# KiCad board srvant-mk2.kicad_pcb (continued)
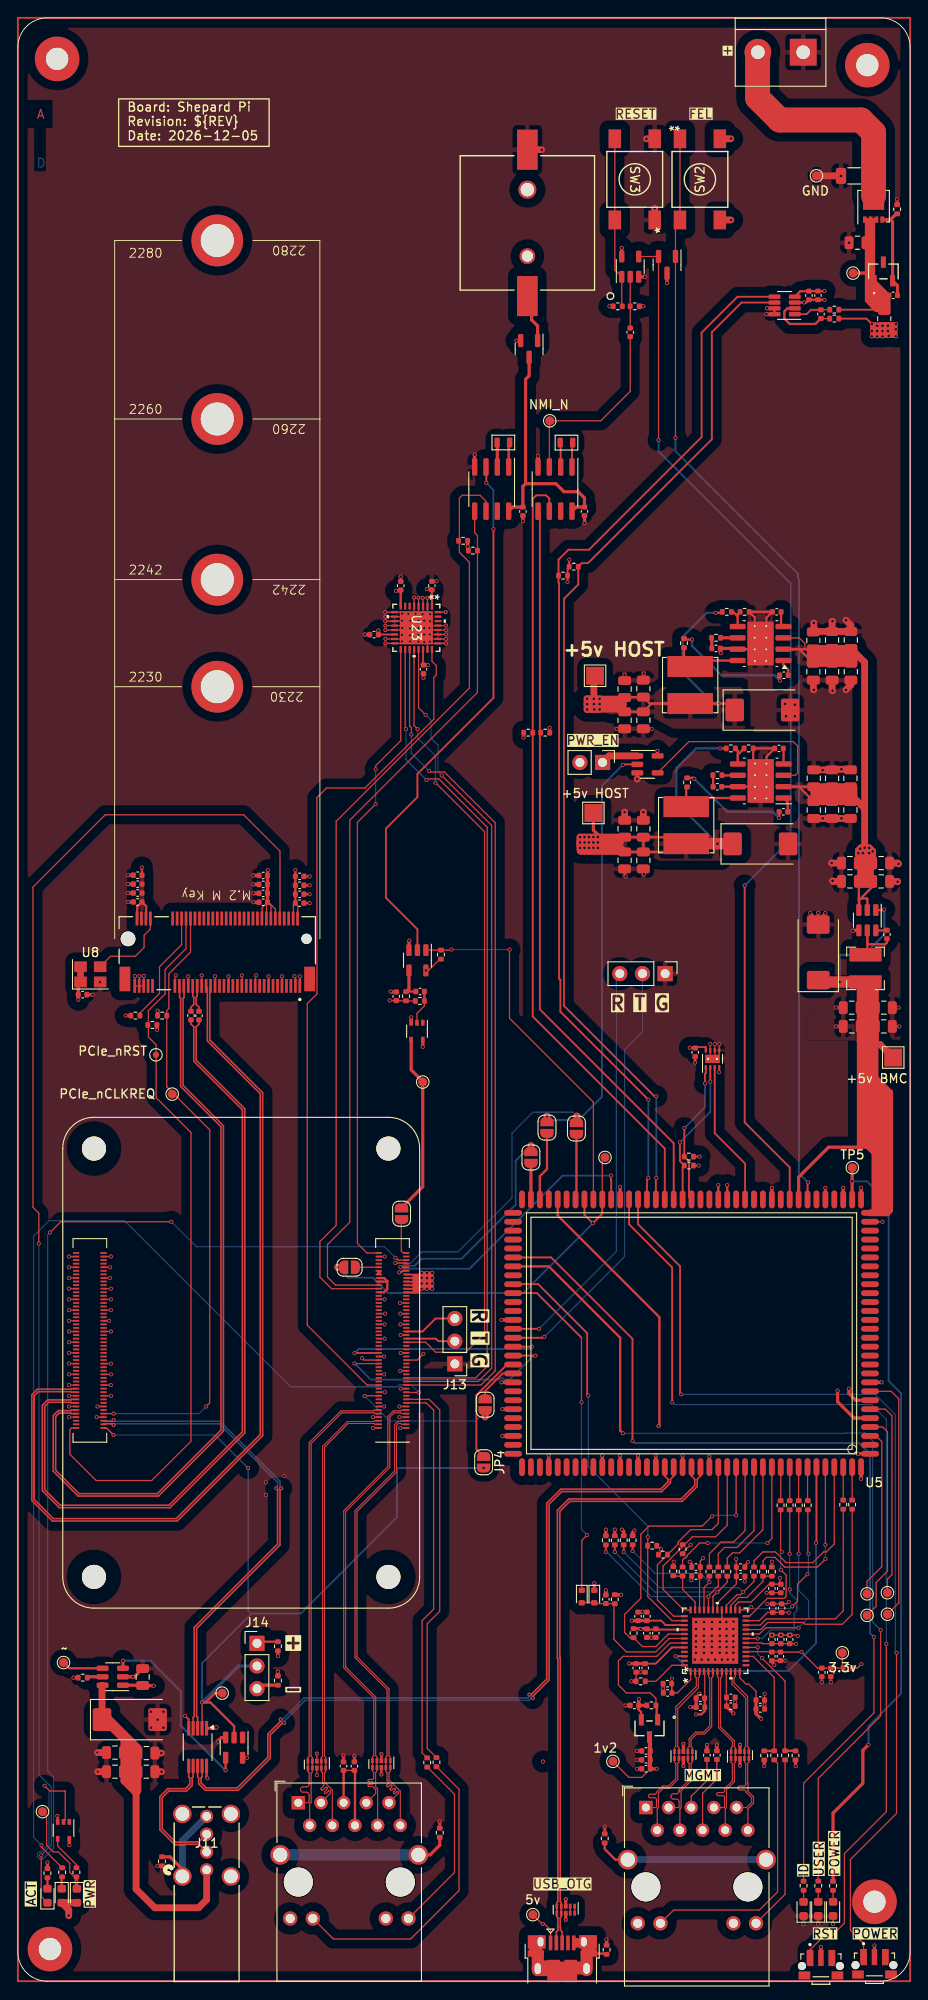
[diagram p0: board, top side]
## Library data of the parts (continued)
D3 D4 D8 D10 D11 = -: Datasheet: http://optoelectronics.liteon.com/upload/download/DS22-2000-210/LTST-S270KRKT.pdf; Field4: Digikey; Field5: LTST-S270KRKT; Field6: SML-A12U8TT86Q; Field7: Rohm; Field8: 650295101; Part Description: Red 620nm LED Indication - Discrete 2.2V 2-SMD, No Lead; ki_fp_filters: LED* LED_SMD:* LED_THT:*
D5 D6 = -: Datasheet: https://www.mouser.co.uk/datasheet/2/115/DIOD_S_A0012716198_1-2512898.pdf; Sim.Device: D; Sim.Pins: 1=K 2=A; farnell#: 1773531; manf#: 1N4148WT-7; mouser#: 621-1N4148WT; ki_fp_filters: D*DO?35*
D7 = -: Datasheet: http://optoelectronics.liteon.com/upload/download/DS22-2000-226/LTST-S270KGKT.pdf; Field4: Digikey; Field5: LTST-S270KGKT; Field6: SML-A12M8TT86N; Field7: Rohm; Field8: 650263301; Part Description: Green 572nm LED Indication - Discrete 2.2V 2-SMD, No Lead; ki_fp_filters: LED* LED_SMD:* LED_THT:*
D9 = -: Datasheet: https://www.mouser.co.uk/datasheet/2/916/PESD2USB5UX_T-2938465.pdf; Part Description: Automotive infotainment ESD protection diode; farnell#: 4253959; manf#: PESD2USB5UXT-QR; mouser#: 771-PESD2USB5UXT-QR; ki_fp_filters: SOT?23*
FB1 FB2 FB5 FB8 = -: Datasheet: https://www.mouser.co.uk/datasheet/2/281/1/Murata_4_42023_QNFA9103SH-3135182.pdf; farnell#: 4236024; manf#: BLM15PX221SH1D; mouser#: 81-BLM15PX221SH1D; ki_fp_filters: Inductor_* L_* *Ferrite*
FB4 = -: Datasheet: https://www.mouser.co.uk/datasheet/2/281/1/Murata_4_42023_QNFA9103SH-3135182.pdf; manf#: BLM15PX221SH1D; mouser#: 81-BLM15PX221SH1D; farnell#: 4236024; ki_fp_filters: Inductor_* L_* *Ferrite*
H4-H7 = -: Field4: nf; Field5: nf; Field6: nf; Field7: nf; Part Description: M2.5 mounting hole; ki_fp_filters: MountingHole*
J2 = -: ki_fp_filters: Connector*:*_1x??_*
J3 J13 J14 = -: Datasheet: ~{}; ki_fp_filters: Connector*:*_1x??_*
J4 = -: Datasheet: https://cdn.amphenol-icc.com/media/wysiwyg/files/documentation/datasheet/inputoutput/io_usb_micro.pd; Field4: Digikey; Field5: 609-4050-2-ND; Field6: 690-005-298-486; Field7: EDAC; Field8: UCON00686; Part Description: USB - micro B USB 2.0 Receptacle Connector 5 Position Surface Mount, Right Angle; Through Hole; ki_fp_filters: USB*
J5 J9 = -: Datasheet: https://media.digikey.com/pdf/Data%20Sheets/Pulse%20PDFs/JK%20Series.pdf; ki_fp_filters: RJ45*Pulse*JK0654219NL*
J8 = -: Datasheet: file:///C:/Users/gamer/AppData/Local/Temp/0900766b8173e6cb.pdf; RS: https://uk.rs-online.com/web/p/edge-connectors/2175447/; ki_fp_filters: *M*2*M*
J11 = -: Datasheet: https://www.farnell.com/datasheets/1009535.pdf; manf#: GSB19110KEU; farnell#: 1860613; Part Description: GSB19110KEU; ki_fp_filters: USB*
J12 = -: ki_fp_filters: TerminalBlock*:*
JP1-JP7 = -: Description: Solder Jumper, 2-pole, open; ki_fp_filters: SolderJumper*Open*
L1 = -: Datasheet: https://www.mouser.co.uk/datasheet/2/54/srn4018-1391320.pdf; Part Description: 4.7µH Semi-Shielded Wirewound Inductor 1.9A 84mOhm Standard; farnell#: 2329227; manf#: SRN4018-4R7M; mouser#: 652-SRN4018-4R7M
L2 = -: Datasheet: https://www.bourns.com/docs/Product-Datasheets/SRN6045TA.pdf; Part Description: 3.3µH Semi-Shielded Wirewound Inductor 7.8A 21mOhm Nonstandard; farnell#: 2616889; manf#: SRN6045TA-3R3Y
L4 = -: Datasheet: https://www.bourns.com/docs/Product-Datasheets/SRN6045TA.pdf; Part Description: 3.3µH Semi-Shielded Wirewound Inductor 7.8A 21mOhm Nonstandard; manf#: SRN6045TA-3R3Y; farnell#: 2616889
Module1 = -: Field4: Hirose; Field5: 2off DF40C-100DS-0.4V; Field6: 2off DF40C-100DS-0.4V; Field7: Hirose; Part Description: 100 Position Connector Receptacle, Center Strip Contacts Surface Mount Gold
MOSFET1 = -: Datasheet: https://eu.mouser.com/datasheet/2/115/DIOD_S_A0002960474_1-2542057.pdf; ki_fp_filters: SOT-23_DMP3098LQ_DIO SOT-23_DMP3098LQ_DIO-M SOT-23_DMP3098LQ_DIO-L
Q1 = -: Datasheet: https://www.diodes.com/assets/Datasheets/DMP3013SFV.pdf; Part Description: DMP3013SFV-7 -  Power MOSFET, P Channel, 30 V, 12 A, 0.008 ohm, PowerDI3333, Surface Mount; farnell#: 3405192; mouser#: 621-DMP3013SFV-7; ki_fp_filters: Diodes*PowerDI3333*
R1 = -: Datasheet: https://fscdn.rohm.com/en/products/databook/datasheet/passive/resistor/chip_resistor/mcr-e.pdf; Part Description: Resistor 12K M1005 1% 63mW; farnell#: 9239367; manf#: MCR01MZPF1202; ki_fp_filters: R_*
R2 = -: Datasheet: https://4donline.ihs.com/images/VipMasterIC/IC/BOUR/BOUR-S-A0012900331/BOUR-S-A0012900331-1.pdf?hkey=6D3A4C79FDBF58556ACFDE234799DDF0; Part Description: Rshunt; farnell#: 2729138; manf#: CRF0805-FZ-R005ELF; ki_fp_filters: R_*
R4 = -: Datasheet: https://fscdn.rohm.com/en/products/databook/datasheet/passive/resistor/chip_resistor/mcr-e.pdf; Part Description: Resistor 20K M1005 1% 63mW; farnell#: 2331485; manf#: RK73H1ETTP2002F; ki_fp_filters: R_*
R5 R6 R9-R12 R15 R17-R25 R30 R34 R36-R42 R44 R46 R51 R56 R61 R64 R68 R69 R71 R72 R74-R76 R79 = -: ki_fp_filters: R_*
R7 R8 = -: Datasheet: https://fscdn.rohm.com/en/products/databook/datasheet/passive/resistor/chip_resistor/mcr-e.pdf; Part Description: Resistor 10R M1005 1% 63mW; farnell#: 9238999; manf#: RC0402FR-0710RL; ki_fp_filters: R_*
R13 R14 R60 R65 = -: Datasheet: https://fscdn.rohm.com/en/products/databook/datasheet/passive/resistor/chip_resistor/mcr-e.pdf; Field4: Farnell; Field5: 9239235; Field6: RK73H1ETTP1001F; Field7: KOA EUROPE GMBH; Field8: 125049511; Part Description: Resistor 1K M1005 1% 63mW; ki_fp_filters: R_*
R16 = -: Datasheet: https://fscdn.rohm.com/en/products/databook/datasheet/passive/resistor/chip_resistor/mcr-e.pdf; Part Description: Resistor 20K M1005 1% 63mW; manf#: RK73H1ETTP2002F; farnell#: 2331485; ki_fp_filters: R_*
R28 R33 R47 R48 R50 = -: Datasheet: https://fscdn.rohm.com/en/products/databook/datasheet/passive/resistor/chip_resistor/mcr-e.pdf; Part Description: Resistor 1K M1005 1% 63mW; ki_fp_filters: R_*
R29 = -: farnell#: 3495661; manf#: RC0402FR-076K04L; ki_fp_filters: R_*
R53 = -: Datasheet: https://fscdn.rohm.com/en/products/databook/datasheet/passive/resistor/chip_resistor/mcr-e.pdf; Field4: Farnell; Field5: 9239375; Field6: MCR01MZPF1502; Field7: Rohm; Field8: 120891581; Part Description: Resistor 15K M1005 1% 63mW; ki_fp_filters: R_*
R54 = -: Datasheet: https://fscdn.rohm.com/en/products/databook/datasheet/passive/resistor/chip_resistor/mcr-e.pdf; Field4: Farnell; Field5: 9239278; Field7: KOA EUROPE GMBH; Field6: RK73G1ETQTP2201D; Part Description: Resistor 2.2K M1005 1% 63mW; Field8: 120889581; ki_fp_filters: R_*
R57 R59 = -: Datasheet: https://fscdn.rohm.com/en/products/databook/datasheet/passive/resistor/chip_resistor/mcr-e.pdf; Field4: Farnell; Field5: 1458807; Field6: MCR01MZPF5103; Field7: Rohm; Part Description: Resistor 510K M1005 1% 63mW; ki_fp_filters: R_*
R62 R63 R73 R77 R78 R80 = -: Datasheet: https://fscdn.rohm.com/en/products/databook/datasheet/passive/resistor/chip_resistor/mcr-e.pdf; ki_fp_filters: R_*
R66 R67 = -: Datasheet: https://fscdn.rohm.com/en/products/databook/datasheet/passive/resistor/chip_resistor/mcr-e.pdf; Field4: Farnell; Field5: 9239197; Field6: RK73G1ETQTP4700D; Field7: KOA EUROPE GMBH; Field8: 120887981; Part Description: Resistor 470R M1005 1% 63mW; ki_fp_filters: R_*
R70 = -: Datasheet: https://fscdn.rohm.com/en/products/databook/datasheet/passive/resistor/chip_resistor/mcr-e.pdf; Field4: Farnell; Field5: 9239235; Field7: KOA EUROPE GMBH; Field6: RK73H1ETTP1001F; Part Description: Resistor 1K M1005 1% 63mW; Field8: 125049511; ki_fp_filters: R_*
SW1 SW4 = -: Datasheet: https://www.farnell.com/datasheets/219499.pdf; farnell#: 2787247; manf#: TL3340AF160QG
SW2 SW3 = -: ki_fp_filters: SW4_FSM-5P23_TEC
TP1 TP4 TP5 TP7-TP10 TP13 TP17 TP18 = -: ki_fp_filters: Pin* Test*
TP2 TP3 TP11 TP14-TP16 TP19-TP23 = -: Field4: nf; Field5: nf; Field6: nf; Field7: nf; ki_fp_filters: Pin* Test*
U1 = -: Datasheet: https://www.diodes.com/assets/Datasheets/AP63200-AP63201-AP63203-AP63205.pdf; manf#: AP63205WU-7; mouser#: 621-AP63205WU-7; ki_fp_filters: TSOT?23*
U2 U26 = -: Datasheet: https://www.diodes.com/assets/Datasheets/AP64501.pdf; Part Description: Buck Switching Regulator IC Positive Adjustable 0.8V 1 Output 5A 8-SOIC (0.154", 3.90mm Width) Exposed Pad; digikey#: 31-AP64501SP-13CT-ND
U3 = -: Datasheet: http://www.ti.com/lit/sg/scyt129e/scyt129e.pdf; farnell#: 3120315; manf#: SN74AHC1G32DBVR; mouser#: 595-SN74AHC1G32DBVR; ki_fp_filters: SOT* SG-*
U4 = -: Datasheet: http://www.ti.com/lit/ds/symlink/ina219.pdf; farnell#: 3118164; manf#: INA219AIDCNR; mouser#: 595-INA219AIDCNR; ki_fp_filters: SOT?23*
U5 = -: Datasheet: https://linux-sunxi.org/images/7/73/T113-s3_datasheet_v1.6.pdf
U6 U17 = -: Datasheet: https://www.nxp.com/docs/en/data-sheet/PCF85063A.pdf; Field4: Farnell; Field5: 2890042; Field7: NXP; Part Description: Real Time Clock (RTC) IC Clock/Calendar I²C, 2-Wire Serial 8-SOIC (0.154", 3.90mm Width); ki_fp_filters: SOIC*3.9x4.9mm*P1.27mm*
U7 U10 U11 U19 U20 = -: Datasheet: http://www.ti.com/lit/ds/symlink/tpd2eusb30a.pdf; Field4: Farnell; Field5: 2335455; Field6: CDDFN10-3324P-13; Field7: Bourns; Field8: UDIO00346; Part Description: Quad TVS diode for high speed signals (USB3, GigE etc.); ki_fp_filters: USON*2.5x1.0mm*P0.5mm*
U8 = -: Datasheet: https://abracon.com/Oscillators/ASEK.pdf; Field7: abracon; Part Description: 32KHz Xtal oscilator
U12 = -: Datasheet: http://ww1.microchip.com/downloads/en/DeviceDoc/00002841B.pdf; digikey#: KSZ9131RNXC-TR; farnell#: 3280868; manf#: KSZ9131RNXC-TR; mouser#: 579-KSZ9131RNXC-TR; ki_fp_filters: QFN48_NX_MCH QFN48_NX_MCH-M QFN48_NX_MCH-L
U13 = -: Datasheet: https://www.ti.com/general/docs/suppproductinfo.tsp?distId=26&gotoUrl=https://www.ti.com/lit/gpn/sn74ahc1g04; farnell#: 1893806; manf#: SN74AHC1G04DBVRG4; mouser#: 595-SN74AHC1G04DBVRG; ki_fp_filters: SOT* SG-*
U14 = -: Datasheet: https://www.diodes.com/assets/Datasheets/AP255x.pdf; Field4: Digikey; Field5: 31-AP22653W6-7CT-ND; Field7: Diodes; Part Description: Power Switch/Driver 1:1 P-Channel 2.1A SOT-23-6; farnell#: 3755402; manf#: AP22653W6-7
U15 = -: Datasheet: https://www.onsemi.com/pub/Collateral/FSUSB42-D.PDF; Description: Low-Power, Two-Port, High-Speed, USB2.0 (480Mbps) or UART Switch, MSOP-10; ki_fp_filters: MSOP*3x3mm*P0.5mm*
U18 U21 = -: Datasheet: https://www.diodes.com/assets/Datasheets/74LVC1G07.pdf; Field4: Farnell; Field5: 2425492; Field7: Diodes; Part Description: Buffer, Non-Inverting 1 Element 1 Bit per Element Open Drain Output SOT-353; ki_fp_filters: SOT* SG-*
U22 = -: Datasheet: https://www.ti.com/lit/gpn/tmp1075; manf#: TMP1075DSGR; mouser#: 595-TMP1075DSGR; ki_fp_filters: WSON*1EP*2x2mm*P0.5mm*
U23 = -: Datasheet: https://www.mouser.co.uk/datasheet/2/196/Infineon_SLB_9670VQ2_0_DataSheet_v01_04_EN-3167088.pdf; mouser#: 726-SLB9670V20FW785X; farnell#: 3404700; ki_fp_filters: QFN32_SLB9670VQ20FW785XTMA1_INF QFN32_SLB9670VQ20FW785XTMA1_INF-M QFN32_SLB9670VQ20FW785XTMA1_INF-L
U24 U25 = -: Datasheet: https://www.ti.com/lit/ds/symlink/sn74ahc1g08.pdf; farnell#: 3120306; manf#: SN74AHC1G08DBVR; mouser#: 595-SN74AHC1G08DBVR; ki_fp_filters: SOT* SG-*
Y1 Y3 = -: Datasheet: https://abracon.com/Resonators/ABS06W.pdf; Part Description: Crystal 32.768KHz 7pF 20pmm; digikey#: 535-14101-2-ND; manf#: ABS06W-32.768KHZ-K-2-T; ki_fp_filters: Crystal*

## Footprints (pads in the part's own frame, mm; a bottom-side part is the same pattern mirrored in y, then rotated)
battery-S8411-45R
  rect 2.311x4.496 smd: 1(0,8.2) 2(0,-8.2)
  round 1.753 hole 1.245: 3(0,3.725)
  round 2.007 hole 1.499: 4(0,-3.725)
button-SW_TL3340AF160QG
  round 0.9 hole 0.9 unplated: (-2.125,0) (2.125,0)
  custom 0.76x1.81 smd: 1(-1.225,0.9) 3(1.225,0.9)
  rect 0.6x1.8 smd: 2(0,0.9)
  rect 1.3x0.9 smd: S1(-1.85,-1.05) S2(1.85,-1.05)
C_0402_1005Metric
  rrect 0.56x0.62 smd: 1(-0.48,0) 2(0.48,0)
C_0805_2012Metric
  rrect 1x1.45 smd: 1(-0.95,0) 2(0.95,0)
C_1206_3216Metric
  rrect 1.15x1.8 smd: 1(-1.475,0) 2(1.475,0)
CONN_GSB19110KEU_AMP
  round 1.473 hole 0.965: 1(0,0) 2(0,2) 3(0,4) 4(0,6)
  round 2.057 hole 1.549: 5(-2.72,-0.73) 6(2.72,-0.73) 7(-2.72,6.27) 8(2.72,6.27)
CP_EIA-7343-31_Kemet-D
  rrect 2.075x2.55 smd: 1(-3.112,0) 2(3.112,0)
Crystal_SMD_2012-2Pin_2.0x1.2mm
  rrect 0.6x1.1 smd: 1(-0.7,0) 2(0.7,0)
Crystal_SMD_3225-4Pin_3.2x2.5mm
  rect 1.4x1.2 smd: 1(-1.1,-0.85) 2(1.1,-0.85) 3(1.1,0.85) 4(-1.1,0.85)
D_SOD-523
  rrect 0.6x0.7 smd: 1(-0.7,0) 2(0.7,0)
Diodes_PowerDI3333-8
  rect 0.6x1 smd: (0.02,0.565) (0.02,-0.565) (0.73,0.565) (0.73,-0.565)
  rect 0.7x0.42 smd: (1.5,0.975) (1.5,0.325) (1.5,-0.325) (1.5,-0.975) 1(-1.5,0.975) 2(-1.5,0.325) 3(-1.5,-0.325) 4(-1.5,-0.975)
  custom 2.25x2.37 smd: 5(0.455,0)
L_Bourns-SRN4018
  rect 1.5x3.6 smd: 1(-1.525,0) 2(1.525,0)
L_Bourns_SRN6045TA
  rect 2.35x5.1 smd: 1(-2.075,0) 2(2.075,0)
LED_0603_1608Metric
  rrect 0.875x0.95 smd: 1(-0.787,0) 2(0.787,0)
M.2 M Key socket_rpi
  round 1.15 hole 1.15 unplated: (-10,0)
  round 1.65 hole 1.65 unplated: (10,0)
  rect 0.3x1.55 smd: 1(-9.25,5.275) 2(-9,-2.275) 3(-8.75,5.275) 4(-8.5,-2.275) 5(-8.25,5.275) 6(-8,-2.275) 7(-7.75,5.275) 8(-7.5,-2.275) 9(-7.25,5.275) 10(-7,-2.275) 11(-6.75,5.275) 12(-6.5,-2.275) 13(-6.25,5.275) 14(-6,-2.275) 15(-5.75,5.275) 16(-5.5,-2.275) 17(-5.25,5.275) 18(-5,-2.275) 19(-4.75,5.275) 20(-4.5,-2.275) 21(-4.25,5.275) 22(-4,-2.275) 23(-3.75,5.275) 24(-3.5,-2.275) 25(-3.25,5.275) 26(-3,-2.275) 27(-2.75,5.275) 28(-2.5,-2.275) 29(-2.25,5.275) 30(-2,-2.275) 31(-1.75,5.275) 32(-1.5,-2.275) 33(-1.25,5.275) 34(-1,-2.275) 35(-0.75,5.275) 36(-0.5,-2.275) 37(-0.25,5.275) 38(0,-2.275) 39(0.25,5.275) 40(0.5,-2.275) 41(0.75,5.275) 42(1,-2.275) 43(1.25,5.275) 44(1.5,-2.275) 45(1.75,5.275) 46(2,-2.275) 47(2.25,5.275) 48(2.5,-2.275) 49(2.75,5.275) 50(3,-2.275) 51(3.25,5.275) 52(3.5,-2.275) 53(3.75,5.275) 54(4,-2.275) 55(4.25,5.275) 56(4.5,-2.275) 57(4.75,5.275) 58(5,-2.275) 67(7.25,5.275) 68(7.5,-2.275) 69(7.75,5.275) 70(8,-2.275) 71(8.25,5.275) 72(8.5,-2.275) 73(8.75,5.275) 74(9,-2.275) 75(9.25,5.275)
  round 5.8 hole 3.7: M1(0,-28.25) M2(0,-40.25) M3(0,-58.25) M4(0,-78.25)
  rect 1.2x2.75 smd: S1(-10.35,4.5) S2(10.35,4.5)
MountingHole_2.5mm_Pad_TopOnly
  round 2.9 hole 2.5: 1(0,0)
  round 5 smd: 1(0,0)
MSOP-10_3x3mm_P0.5mm
  rrect 1.625x0.35 smd: 1(-2.112,1) 2(-2.112,0.5) 3(-2.112,0) 4(-2.112,-0.5) 5(-2.112,-1) 6(2.112,-1) 7(2.112,-0.5) 8(2.112,0) 9(2.112,0.5) 10(2.112,1)
PinHeader_1x02_P2.54mm_Vertical
  rect 1.7x1.7 hole 1: 1(0,0)
  oval 1.7x1.7 hole 1: 2(0,-2.54)
PinHeader_1x03_P2.54mm_Vertical
  rect 1.7x1.7 hole 1: 1(0,0)
  oval 1.7x1.7 hole 1: 2(0,-2.54) 3(0,-5.08)
QFN32_SLB9670VQ20FW785XTMA1_INF
  rect 0.762x0.254 smd: 1(-2.426,1.75) 2(-2.426,1.25) 3(-2.426,0.75) 4(-2.426,0.25) 5(-2.426,-0.25) 6(-2.426,-0.75) 7(-2.426,-1.25) 8(-2.426,-1.75) 17(2.426,-1.75) 18(2.426,-1.25) 19(2.426,-0.75) 20(2.426,-0.25) 21(2.426,0.25) 22(2.426,0.75) 23(2.426,1.25) 24(2.426,1.75)
  rect 0.254x0.762 smd: 9(-1.75,-2.426) 10(-1.25,-2.426) 11(-0.75,-2.426) 12(-0.25,-2.426) 13(0.25,-2.426) 14(0.75,-2.426) 15(1.25,-2.426) 16(1.75,-2.426) 25(1.75,2.426) 26(1.25,2.426) 27(0.75,2.426) 28(0.25,2.426) 29(-0.25,2.426) 30(-0.75,2.426) 31(-1.25,2.426) 32(-1.75,2.426)
  rect 3.708x3.708 smd: 33(0,0)
QFN48_NX_MCH
  rect 0.757x0.255 smd: 1(-3.452,2.75) 2(-3.452,2.25) 3(-3.452,1.75) 4(-3.452,1.25) 5(-3.452,0.75) 6(-3.452,0.25) 7(-3.452,-0.25) 8(-3.452,-0.75) 9(-3.452,-1.25) 10(-3.452,-1.75) 11(-3.452,-2.25) 12(-3.452,-2.75) 25(3.452,-2.75) 26(3.452,-2.25) 27(3.452,-1.75) 28(3.452,-1.25) 29(3.452,-0.75) 30(3.452,-0.25) 31(3.452,0.25) 32(3.452,0.75) 33(3.452,1.25) 34(3.452,1.75) 35(3.452,2.25) 36(3.452,2.75)
  rect 0.255x0.757 smd: 13(-2.75,-3.452) 14(-2.25,-3.452) 15(-1.75,-3.452) 16(-1.25,-3.452) 17(-0.75,-3.452) 18(-0.25,-3.452) 19(0.25,-3.452) 20(0.75,-3.452) 21(1.25,-3.452) 22(1.75,-3.452) 23(2.25,-3.452) 24(2.75,-3.452) 37(2.75,3.452) 38(2.25,3.452) 39(1.75,3.452) 40(1.25,3.452) 41(0.75,3.452) 42(0.25,3.452) 43(-0.25,3.452) 44(-0.75,3.452) 45(-1.25,3.452) 46(-1.75,3.452) 47(-2.25,3.452) 48(-2.75,3.452)
  rect 5.156x5.156 smd: 49(0,0)
R_0402_1005Metric
  rrect 0.54x0.64 smd: 1(-0.51,0) 2(0.51,0)
R_0805_2012Metric
  rrect 1.025x1.4 smd: 1(-0.912,0) 2(0.912,0)
Raspberry-Pi-4-Compute-Module
  round 2.7 hole 2.7 unplated: (0,48) (0,0) (33,48) (33,0)
  rect 0.7x0.2 smd: 1(-2,31.3) 2(1.08,31.3) 3(-2,30.9) 4(1.08,30.9) 5(-2,30.5) 6(1.08,30.5) 7(-2,30.1) 8(1.08,30.1) 9(-2,29.7) 10(1.08,29.7) 11(-2,29.3) 12(1.08,29.3) 13(-2,28.9) 14(1.08,28.9) 15(-2,28.5) 16(1.08,28.5) 17(-2,28.1) 18(1.08,28.1) 19(-2,27.7) 20(1.08,27.7) 21(-2,27.3) 22(1.08,27.3) 23(-2,26.9) 24(1.08,26.9) 25(-2,26.5) 26(1.08,26.5) 27(-2,26.1) 28(1.08,26.1) 29(-2,25.7) 30(1.08,25.7) 31(-2,25.3) 32(1.08,25.3) 33(-2,24.9) 34(1.08,24.9) 35(-2,24.5) 36(1.08,24.5) 37(-2,24.1) 38(1.08,24.1) 39(-2,23.7) 40(1.08,23.7) 41(-2,23.3) 42(1.08,23.3) 43(-2,22.9) 44(1.08,22.9) 45(-2,22.5) 46(1.08,22.5) 47(-2,22.1) 48(1.08,22.1) 49(-2,21.7) 50(1.08,21.7) 51(-2,21.3) 52(1.08,21.3) 53(-2,20.9) 54(1.08,20.9) 55(-2,20.5) 56(1.08,20.5) 57(-2,20.1) 58(1.08,20.1) 59(-2,19.7) 60(1.08,19.7) 61(-2,19.3) 62(1.08,19.3) 63(-2,18.9) 64(1.08,18.9) 65(-2,18.5) 66(1.08,18.5) 67(-2,18.1) 68(1.08,18.1) 69(-2,17.7) 70(1.08,17.7) 71(-2,17.3) 72(1.08,17.3) 73(-2,16.9) 74(1.08,16.9) 75(-2,16.5) 76(1.08,16.5) 77(-2,16.1) 78(1.08,16.1) 79(-2,15.7) 80(1.08,15.7) 81(-2,15.3) 82(1.08,15.3) 83(-2,14.9) 84(1.08,14.9) 85(-2,14.5) 86(1.08,14.5) 87(-2,14.1) 88(1.08,14.1) 89(-2,13.7) 90(1.08,13.7) 91(-2,13.3) 92(1.08,13.3) 93(-2,12.9) 94(1.08,12.9) 95(-2,12.5) 96(1.08,12.5) 97(-2,12.1) 98(1.08,12.1) 99(-2,11.7) 100(1.08,11.7) 101(31.92,31.3) 102(35,31.3) 103(31.92,30.9) 104(35,30.9) 105(31.92,30.5) 106(35,30.5) 107(31.92,30.1) 108(35,30.1) 109(31.92,29.7) 110(35,29.7) 111(31.92,29.3) 112(35,29.3) 113(31.92,28.9) 114(35,28.9) 115(31.92,28.5) 116(35,28.5) 117(31.92,28.1) 118(35,28.1) 119(31.92,27.7) 120(35,27.7) 121(31.92,27.3) 122(35,27.3) 123(31.92,26.9) 124(35,26.9) 125(31.92,26.5) 126(35,26.5) 127(31.92,26.1) 128(35,26.1) 129(31.92,25.7) 130(35,25.7) 131(31.92,25.3) 132(35,25.3) 133(31.92,24.9) 134(35,24.9) 135(31.92,24.5) 136(35,24.5) 137(31.92,24.1) 138(35,24.1) 139(31.92,23.7) 140(35,23.7) 141(31.92,23.3) 142(35,23.3) 143(31.92,22.9) 144(35,22.9) 145(31.92,22.5) 146(35,22.5) 147(31.92,22.1) 148(35,22.1) 149(31.92,21.7) 150(35,21.7) 151(31.92,21.3) 152(35,21.3) 153(31.92,20.9) 154(35,20.9) 155(31.92,20.5) 156(35,20.5) 157(31.92,20.1) 158(35,20.1) 159(31.92,19.7) 160(35,19.7) 161(31.92,19.3) 162(35,19.3) 163(31.92,18.9) 164(35,18.9) 165(31.92,18.5) 166(35,18.5) 167(31.92,18.1) 168(35,18.1) 169(31.92,17.7) 170(35,17.7) 171(31.92,17.3) 172(35,17.3) 173(31.92,16.9) 174(35,16.9) 175(31.92,16.5) 176(35,16.5) 177(31.92,16.1) 178(35,16.1) 179(31.92,15.7) 180(35,15.7) 181(31.92,15.3) 182(35,15.3) 183(31.92,14.9) 184(35,14.9) 185(31.92,14.5) 186(35,14.5) 187(31.92,14.1) 188(35,14.1) 189(31.92,13.7) 190(35,13.7) 191(31.92,13.3) 192(35,13.3) 193(31.92,12.9) 194(35,12.9) 195(31.92,12.5) 196(35,12.5) 197(31.92,12.1) 198(35,12.1) 199(31.92,11.7) 200(35,11.7)
RJ45_Wuerth_7499111446_Horizontal
  round 3.25 hole 3.25 unplated: (0,-8.89) (11.43,-8.89)
  rect 1.5x1.5 hole 0.9: 1(0,0)
  round 1.5 hole 0.9: 2(1.27,-2.54) 3(2.54,0) 4(3.81,-2.54) 5(5.08,0) 6(6.35,-2.54) 7(7.62,0) 8(8.89,-2.54) 9(10.16,0) 10(11.43,-2.54)
  round 1.6 hole 1.02: 11(-0.915,-12.97) 12(1.625,-12.97) 13(9.805,-12.97) 14(12.345,-12.97)
  round 2.2 hole 1.6: SH(-2.03,-5.84) SH(13.46,-5.84)
rp-t113-s3
  oval 2x0.65 smd: 1(-1,-1.5) 2(-1,-2.5) 3(-1,-3.5) 4(-1,-4.5) 5(-1,-5.5) 6(-1,-6.5) 7(-1,-7.5) 8(-1,-8.5) 9(-1,-9.5) 10(-1,-10.5) 11(-1,-11.5) 12(-1,-12.5) 13(-1,-13.5) 14(-1,-14.5) 15(-1,-15.5) 16(-1,-16.5) 17(-1,-17.5) 18(-1,-18.5) 19(-1,-19.5) 20(-1,-20.5) 21(-1,-21.5) 22(-1,-22.5) 23(-1,-23.5) 24(-1,-24.5) 25(-1,-25.5) 26(-1,-26.5) 27(-1,-27.5) 28(-1,-28.5) 68(39,-28.5) 69(39,-27.5) 70(39,-26.5) 71(39,-25.5) 72(39,-24.5) 73(39,-23.5) 74(39,-22.5) 75(39,-21.5) 76(39,-20.5) 77(39,-19.5) 78(39,-18.5) 79(39,-17.5) 80(39,-16.5) 81(39,-15.5) 82(39,-14.5) 83(39,-13.5) 84(39,-12.5) 85(39,-11.5) 86(39,-10.5) 87(39,-9.5) 88(39,-8.5) 89(39,-7.5) 90(39,-6.5) 91(39,-5.5) 92(39,-4.5) 93(39,-3.5) 94(39,-2.5) 95(39,-1.5)
  oval 0.65x2 smd: 29(0,-30) 30(1,-30) 31(2,-30) 32(3,-30) 33(4,-30) 34(5,-30) 35(6,-30) 36(7,-30) 37(8,-30) 38(9,-30) 39(10,-30) 40(11,-30) 41(12,-30) 42(13,-30) 43(14,-30) 44(15,-30) 45(16,-30) 46(17,-30) 47(18,-30) 48(19,-30) 49(20,-30) 50(21,-30) 51(22,-30) 52(23,-30) 53(24,-30) 54(25,-30) 55(26,-30) 56(27,-30) 57(28,-30) 58(29,-30) 59(30,-30) 60(31,-30) 61(32,-30) 62(33,-30) 63(34,-30) 64(35,-30) 65(36,-30) 66(37,-30) 67(38,-30) 96(38,0) 97(37,0) 98(36,0) 99(35,0) 100(34,0) 101(33,0) 102(32,0) 103(31,0) 104(30,0) 105(29,0) 106(28,0) 107(27,0) 108(26,0) 109(25,0) 110(24,0) 111(23,0) 112(22,0) 113(21,0) 114(20,0) 115(19,0) 116(18,0) 117(17,0) 118(16,0) 119(15,0) 120(14,0) 121(13,0) 122(12,0) 123(11,0) 124(10,0) 125(9,0) 126(8,0) 127(7,0) 128(6,0) 129(5,0) 130(4,0) 131(3,0) 132(2,0) 133(1,0) 134(0,0)
SOIC-8-1EP_3.9x4.9mm_P1.27mm_EP2.95x4.9mm_Mask2.71x3.4mm_ThermalVias
  rrect 1.13x1.42 smd: (-0.68,0.85) (-0.68,-0.85) (0.68,0.85) (0.68,-0.85)
  rect 2.71x3.4 smd: (0,0)
  rrect 1.775x0.6 smd: 1(-2.562,1.905) 2(-2.562,0.635) 3(-2.562,-0.635) 4(-2.562,-1.905) 5(2.562,-1.905) 6(2.562,-0.635) 7(2.562,0.635) 8(2.562,1.905)
  round 0.5 hole 0.2: 9(-0.65,1.95) 9(-0.65,0.65) 9(-0.65,-0.65) 9(-0.65,-1.95) 9(0.65,1.95) 9(0.65,0.65) 9(0.65,-0.65) 9(0.65,-1.95)
  rect 1.8x4.4 smd far side: 9(0,0)
  rect 2.95x4.9 smd: 9(0,0)
SOIC-8_3.9x4.9mm_P1.27mm
  rrect 1.95x0.6 smd: 1(-2.475,1.905) 2(-2.475,0.635) 3(-2.475,-0.635) 4(-2.475,-1.905) 5(2.475,-1.905) 6(2.475,-0.635) 7(2.475,0.635) 8(2.475,1.905)
SolderJumper-2_P1.3mm_Open_RoundedPad1.0x1.5mm
  custom 1x1.5 smd: 1(-0.65,0) 2(0.65,0)
SOT-23
  rrect 1.475x0.6 smd: 1(-0.938,0.95) 2(-0.938,-0.95) 3(0.938,0)
SOT-23-3_1P4X3P040_ONS
  rect 0.559x1.27 smd: 1(-1.029,-1.041) 2(1.029,-1.041) 3(0,1.041)
SOT-23-5
  rrect 1.325x0.6 smd: 1(-1.137,0.95) 2(-1.137,0) 3(-1.137,-0.95) 4(1.137,-0.95) 5(1.137,0.95)
SOT-23-6
  rrect 1.325x0.6 smd: 1(-1.137,0.95) 2(-1.137,0) 3(-1.137,-0.95) 4(1.137,-0.95) 5(1.137,0) 6(1.137,0.95)
SOT-23-8
  rrect 1.325x0.5 smd: 1(-1.137,0.975) 2(-1.137,0.325) 3(-1.137,-0.325) 4(-1.137,-0.975) 5(1.137,-0.975) 6(1.137,-0.325) 7(1.137,0.325) 8(1.137,0.975)
SOT-23_DMP3098LQ_DIO
  rect 0.559x1.27 smd: 1(-0.915,-0.965) 2(0.915,-0.965) 3(0,0.965)
SOT-353_SC-70-5
  rect 0.65x0.4 smd: 1(-0.95,0.65) 2(-0.95,0) 3(-0.95,-0.65) 4(0.95,-0.65) 5(0.95,0.65)
SW4_FSM-5P23_TEC
  rect 2.108x1.397 smd: 1(-4.547,2.235) 2(4.547,2.235) 3(-4.547,-2.235) 4(4.547,-2.235)
TerminalBlock_bornier-2_P5.08mm
  rect 3x3 hole 1.52: 1(0,0)
  round 3 hole 1.52: 2(5.08,0)
TestPoint_Pad_2.0x2.0mm
  rect 2x2 smd: 1(0,0)
TestPoint_Pad_D1.0mm
  round 1 smd: 1(0,0)
TestPoint_Pad_D1.0mm#2
  round 0.7 smd: 1(0,0)
TSOT-23-6
  rrect 1.325x0.6 smd: 1(-1.137,0.95) 2(-1.137,0) 3(-1.137,-0.95) 4(1.137,-0.95) 5(1.137,0) 6(1.137,0.95)
USB_Micro-B_Amphenol_10103594-0001LF_Horizontal
  rect 0.4x1.65 smd: 1(-1.325,1.765) 2(-0.675,1.765) 3(-0.025,1.765) 4(0.625,1.765) 5(1.275,1.765)
  rect 1.825x0.7 smd: 6(-2.975,0.565) 6(2.975,0.565)
  rect 2x1.5 smd: 6(-2.875,1.865) 6(2.875,1.885)
  rect 1.35x2 smd: 6(-2.755,-0.185) 6(2.725,-0.185)
  oval 1.35x1.7 hole 0.7x1.2: 6(-2.755,-1.115) 6(2.705,-1.115)
  oval 1.1x1.5 hole 0.65x1.05: 6(-2.445,1.885) 6(2.395,1.885)
  rect 1.43x2.5 smd: 6(-0.985,-1.385) 6(0.935,-1.385)
USON-10_2.5x1.0mm_P0.5mm
  rect 0.55x0.3 smd: 1(-0.385,1) 2(-0.385,0.5) 4(-0.385,-0.5) 5(-0.385,-1) 6(0.385,-1) 7(0.385,-0.5) 9(0.385,0.5) 10(0.385,1)
  rect 0.55x0.4 smd: 3(-0.385,0) 8(0.385,0)
WSON-8-1EP_2x2mm_P0.5mm_EP0.9x1.6mm_ThermalVias
  rect 0.75x0.65 smd: (0,0.4) (0,-0.4)
  rect 0.5x0.25 smd: 1(-0.95,0.75) 2(-0.95,0.25) 3(-0.95,-0.25) 4(-0.95,-0.75) 5(0.95,-0.75) 6(0.95,-0.25) 7(0.95,0.25) 8(0.95,0.75)
  round 0.6 hole 0.25: 9(0,0.5) 9(0,-0.5)
  rect 0.9x1.6 smd: 9(0,0) 9(0,0)

## Nets
/BMC ethernet/1V2: C33.1 C34.1 C35.1 C36.1 C38.1 C39.1 C41.1 C43.1 C45.1 C46.1 C47.1 C48.1 C49.1 C50.1 C51.1 C52.1 C123.1 C124.1 C125.1 C126.1 MOSFET1.3 TP4.1 U12.4 U12.9 U12.18 U12.23 U12.26 U12.30 U12.39 U12.44
/BMC ethernet/3.3v_PHY: C54.1 C55.1 C56.1 C57.1 C59.1 C60.1 C61.1 C62.1 C63.1 C64.1 C65.1 C66.1 C122.1 D5.1 FB2.1 J5.11 J5.13 MOSFET1.2 R24.2 R25.1 R30.1 R34.1 R42.1 R44.1 R46.1 R47.1 R48.1 R51.1 R79.1 TP10.1 U12.1 U12.12 U12.16 U12.34 U12.40
/BMC ethernet/+3v3_AUX: C30.1 C31.1 C42.1 C58.1 C82.1 C83.1 C84.1 C85.1 C86.1 C87.1 C89.1 C91.1 C92.1 C93.1 C94.1 C95.2 C96.2 C97.2 C98.1 C99.1 C102.1 C116.1 C117.1 C118.1 C119.1 C120.1 D2.2 D7.2 D8.2 FB2.2 J2.2 J8.2 J8.4 J8.12 J8.14 J8.16 J8.18 J8.70 J8.72 J8.74 J9.11 J9.13 L4.2 R9.1 R10.1 R11.1 R12.2 R54.2 R56.2 R57.2 R59.2 R61.2 R64.1 R68.2 R71.2 R72.2 R73.1 R74.1 R75.2 R76.1 R77.1 R78.2 SW2.3 SW2.4 TP23.1 U3.5 U4.4 U8.1 U8.4 U13.5 U15.1 U18.5 U21.5 U22.8 U23.1 U23.8 U23.14 U23.22 U24.5 U25.5
/bmc/3.3v_BMC: R70.2 TP5.1 U5.30
/bmc/+5v_BMC: C18.1 C19.1 C21.1 C22.1 C24.1 L1.2 TP16.1 U1.1 U5.28 U5.36
/bmc/+5V_BMC_OTG: J4.1 TP17.1
/cm4/+1.8v: Module1.88 Module1.90
/cm4/+3.3v_HOST: Module1.78 Module1.84 Module1.86
/cm4/+5v_HOST: C23.1 C25.1 C26.1 C27.1 C28.1 C70.1 L2.2 Module1.77 Module1.79 Module1.81 Module1.83 Module1.85 Module1.87 R5.1 TP2.1 U14.1
/cm4/+5v_HOST_VBUS: C74.1 C75.1 C77.1 C79.1 C81.1 J11.1 U14.6
/power/VIN: C1.1 J12.2 Q1.5
GND: BT1.2 C1.2 C3.2 C4.2 C5.2 C6.2 C7.2 C8.2 C9.2 C10.2 C11.2 C12.2 C13.2 C14.2 C17.2 C18.2 C19.2 C21.2 C22.2 C23.2 C24.2 C25.2 C26.2 C27.2 C28.2 C30.2 C31.2 C32.1 C33.2 C34.2 C35.2 C36.2 C38.2 C39.2 C40.2 C41.2 C42.2 C43.2 C44.2 C45.2 C46.2 C47.2 C48.2 C49.2 C50.2 C51.2 C52.2 C53.2 C54.2 C55.2 C56.2 C57.2 C58.2 C59.2 C60.2 C61.2 C62.2 C63.2 C64.2 C65.2 C66.2 C70.2 C74.2 C75.2 C77.2 C79.2 C81.2 C82.2 C83.2 C84.2 C85.2 C86.2 C87.2 C88.2 C89.2 C91.2 C92.2 C93.2 C94.2 C95.1 C96.1 C97.1 C98.2 C99.2 C102.2 C104.2 C105.2 C106.2 C107.2 C108.2 C109.2 C110.2 C112.2 C114.2 C116.2 C117.2 C118.2 C119.2 C120.2 C121.2 C122.2 C123.2 C124.2 C125.2 C126.2 D3.1 D4.1 D9.3 D11.1 FB1.1 FB4.2 FB5.1 FB8.2 J3.1 J8.1 J8.3 J8.9 J8.15 J8.21 J8.27 J8.33 J8.39 J8.45 J8.51 J8.57 J8.71 J8.73 J8.75 J12.1 J13.1 Module1.1 Module1.2 Module1.7 Module1.8 Module1.13 Module1.14 Module1.22 Module1.23 Module1.32 Module1.33 Module1.42 Module1.43 Module1.52 Module1.53 Module1.59 Module1.60 Module1.65 Module1.66 Module1.71 Module1.74 Module1.98 Module1.107 Module1.108 Module1.113 Module1.114 Module1.119 Module1.120 Module1.125 Module1.126 Module1.131 Module1.132 Module1.137 Module1.138 Module1.144 Module1.150 Module1.155 Module1.156 Module1.161 Module1.162 Module1.167 Module1.168 Module1.173 Module1.174 Module1.179 Module1.180 Module1.185 Module1.186 Module1.191 Module1.192 Module1.197 Module1.198 R1.2 R6.2 R28.2 R29.1 R33.2 R50.2 R53.2 R69.2 R80.1 SW1.2 SW3.1 SW3.2 SW4.2 TP3.1 U1.4 U2.7 U2.9 U3.3 U4.3 U4.7 U4.8 U5.1 U5.9 U5.27 U5.29 U5.31 U5.33 U5.39 U5.56 U5.80 U5.87 U5.90 U5.93 U5.99 U5.105 U5.107 U5.109 U5.111 U5.114 U5.117 U5.134 U6.4 U7.3 U7.8 U8.2 U10.3 U10.8 U11.3 U11.8 U12.29 U12.49 U13.3 U14.2 U15.5 U15.10 U17.4 U18.3 U19.3 U19.8 U20.3 U20.8 U21.3 U22.4 U22.5 U22.6 U22.7 U22.9 U23.2 U23.3 U23.4 U23.5 U23.9 U23.10 U23.11 U23.12 U23.13 U23.15 U23.16 U23.23 U23.25 U23.26 U23.27 U23.28 U23.29 U23.32 U23.33 U24.3 U25.3 U26.7 U26.9
/BMC ethernet/CLK125_EN: R28.1 R37.2 U12.33
/BMC ethernet/LDO_OUT: MOSFET1.1 R79.2 U12.43
/BMC ethernet/MODE0: R30.2 R38.2 U12.32
/BMC ethernet/MODE1: R34.2 R39.2 U12.31
/BMC ethernet/MODE2: R40.2 R42.2 U12.28
/BMC ethernet/MODE3: R41.2 R50.1 U12.27
/BMC ethernet/PHY_LED_ACT / PHYAD0: R17.2 R51.2 U12.17
/BMC ethernet/PHY_LED_LINK / PHYAD1: R15.2 R44.2 U12.15
/BMC ethernet/PHY_RESET_N: C53.1 D5.2 D6.2 R24.1 U12.42
/BMC ethernet/PHYAD2: R33.1 R36.2 U12.35
/BMC ethernet/TXRXA_N: J5.2 U11.2 U11.9 U12.3
/BMC ethernet/TXRXA_P: J5.1 U11.1 U11.10 U12.2
/BMC ethernet/TXRXB_N: J5.4 U11.5 U11.6 U12.6
/BMC ethernet/TXRXB_P: J5.3 U11.4 U11.7 U12.5
/BMC ethernet/TXRXC_N: J5.8 U10.2 U10.9 U12.8
/BMC ethernet/TXRXC_P: J5.7 U10.1 U10.10 U12.7
/BMC ethernet/TXRXD_N: J5.10 U10.5 U10.6 U12.11
/BMC ethernet/TXRXD_P: J5.9 U10.4 U10.7 U12.10
/bmc/BMC_DEBUG_RX: J3.3 U5.81
/bmc/BMC_DEBUG_TX: J3.2 U5.82
/bmc/BMC_HOST_BT_nDis: Module1.89 U5.57
/bmc/BMC_HOST_EEPROM_nWP: JP2.2 Module1.20
/bmc/BMC_HOST_nRPIBOOT: JP3.2 Module1.93
/bmc/BMC_HOST_POST_COMPLETE: JP7.2 TP21.1 U5.58 U5.60
/bmc/BMC_HOST_POWER_BUTTON: SW1.1 U5.54
/bmc/BMC_HOST_POWER_OUT: R78.1 U5.59 U24.1
/bmc/BMC_HOST_RESET_BUTTON: SW4.1 U5.55
/bmc/BMC_HOST_WL_nDis: JP6.2 Module1.91
/bmc/BMC_I2C_2_SCK: R11.2 U5.51 U6.6
/bmc/BMC_I2C_2_SDA: R12.1 U5.50 U6.5
/bmc/BMC_I2C_3_SCK: R71.1 U5.49 U22.2
/bmc/BMC_I2C_3_SDA: R72.1 U5.48 U22.1
